# KiCad board amp board.kicad_pcb (continued)
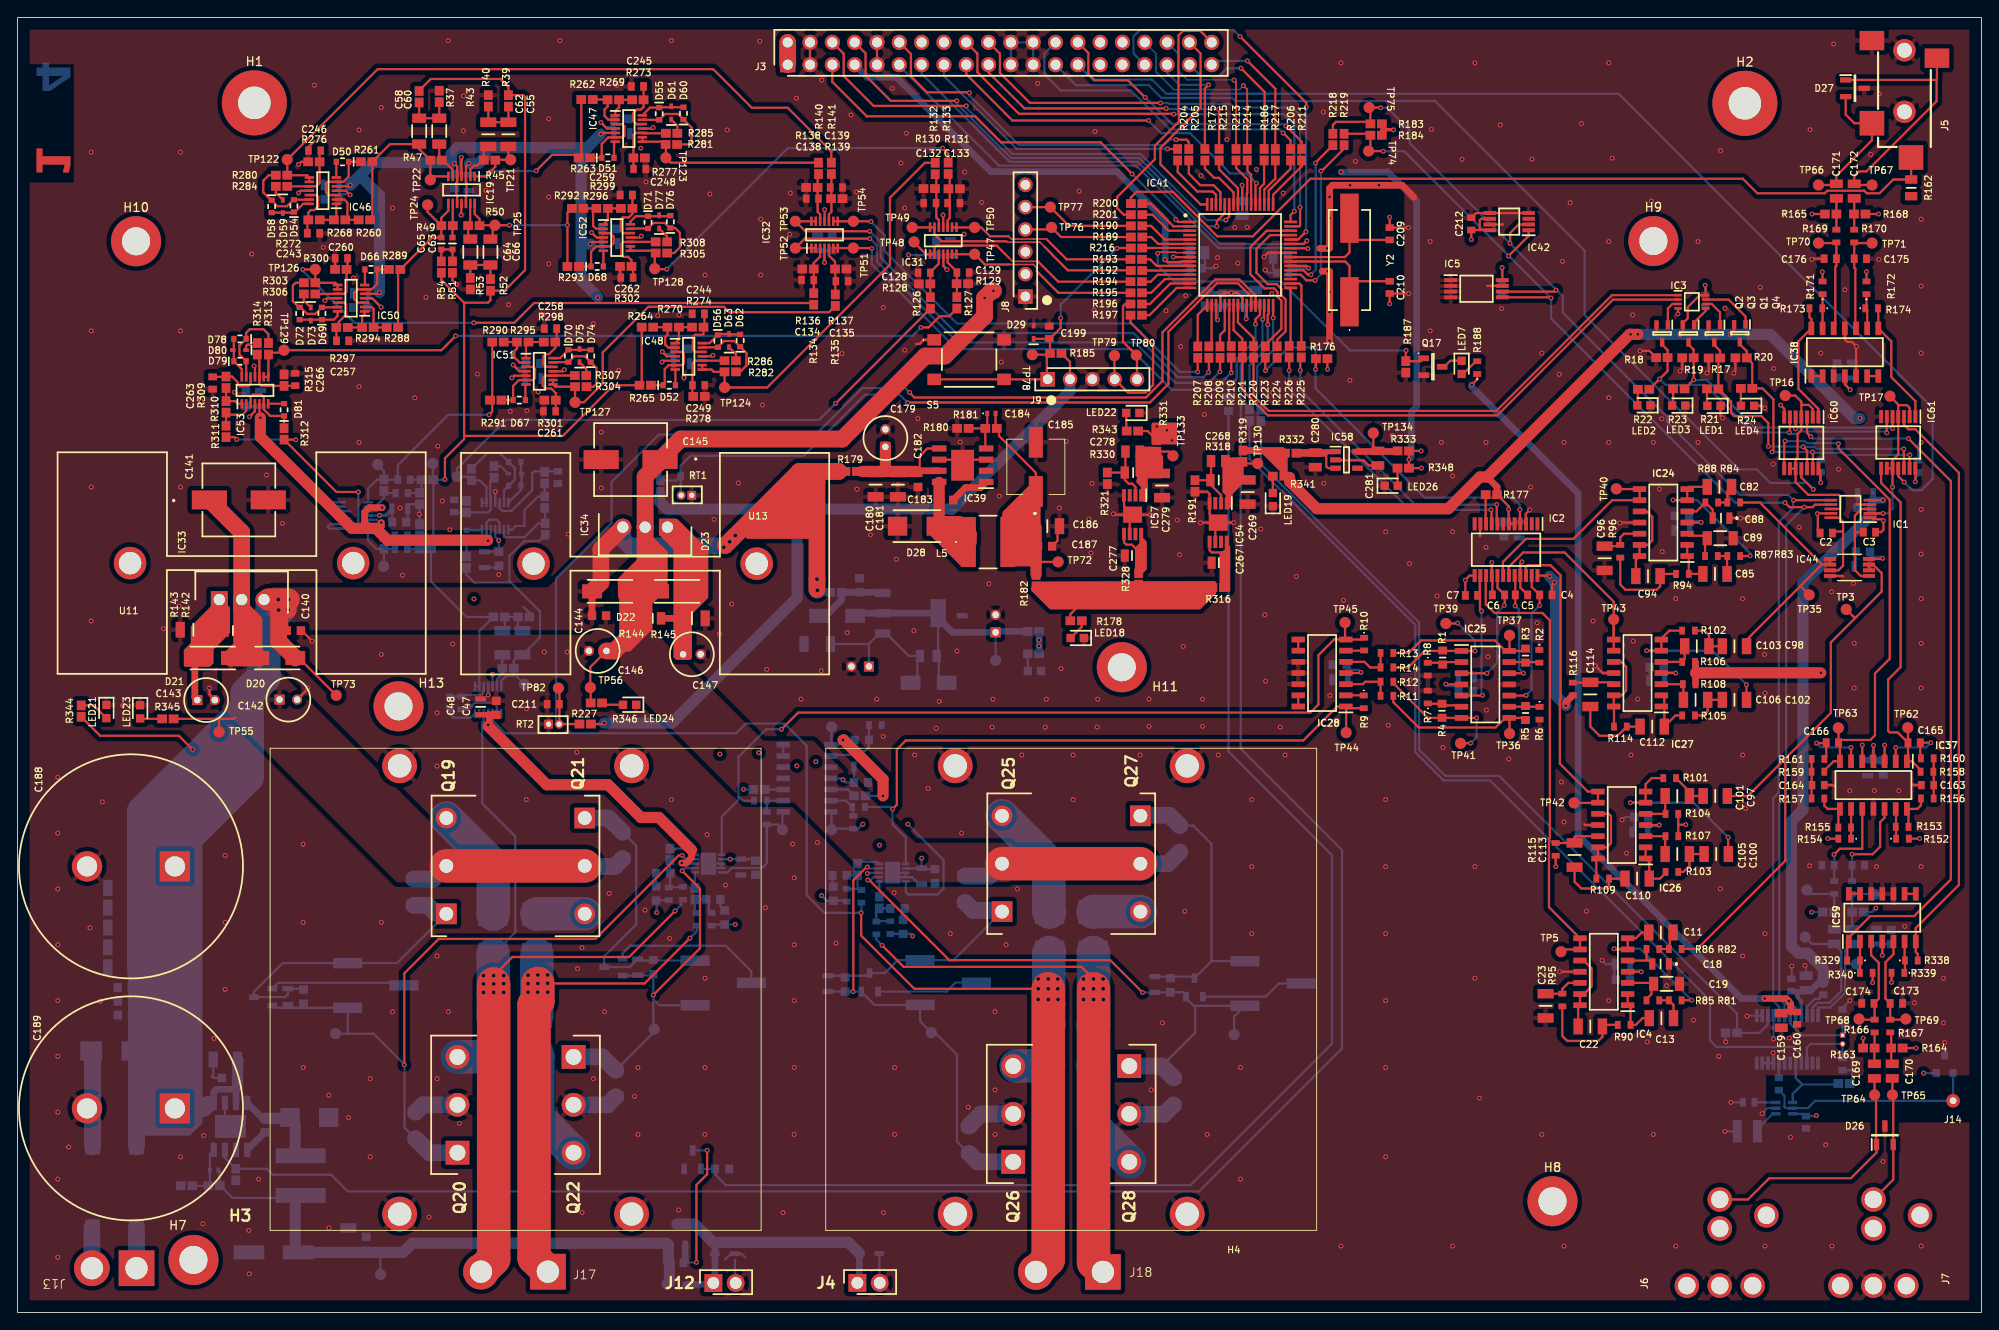
[diagram p0: board, top side]
## Placement (name value [footprint] x y rotation side) (continued)
Q19  TIP142  [TO545P500X1560X2420-3P]  48.8 45.35 90 top
Q20  TIP147  [TO545P515X1560X2445-3P]  50.07 18.17 90 top
Q21  TIP142  [TO545P500X1560X2420-3P]  64.55 56.25 270 top
Q22  TIP147  [TO545P515X1560X2445-3P]  63.28 29.07 270 top
Q23  MMBT3904-7-F  [SOT96P240X110-3N]  67.82 39.29 180 bottom
Q24  MMBT3904-7-F  [SOT96P240X110-3N]  96.98 37.55 90 bottom
Q25  TIP142  [TO545P500X1560X2420-3P]  112.05 45.6 90 top
Q26  TIP147  [TO545P515X1560X2445-3P]  113.32 17.13 90 top
Q27  TIP142  [TO545P500X1560X2420-3P]  127.8 56.5 270 top
Q28  TIP147  [TO545P515X1560X2445-3P]  126.53 28.03 270 top
Q29  MMBT3904-7-F  [SOT96P240X110-3N]  133.95 36.98 90 bottom
R1  4.59k  [RESC1608X55N]  162.2 74.51 270 top
R2  1k  [ERA3AEB101V]  173.2 74.65 270 top
R3  4.59k  [RESC1608X55N]  171.63 74.73 90 top
R4  4.59k  [RESC1608X55N]  162.13 68.45 270 top
R5  4.59k  [RESC1608X55N]  171.63 68.2 270 top
R6  1k  [ERA3AEB101V]  173.23 68.17 270 top
R7  1k  [ERA3AEB101V]  160.5 70.02 90 top
R8  1k  [ERA3AEB101V]  160.5 73.19 270 top
R9  1k  [ERA3AEB101V]  153.21 69.47 270 top
R10  1k  [ERA3AEB101V]  153.26 76.04 270 top
R11  2k  [ERA3AEB101V]  155.85 70.16 180 top
R12  2k  [ERA3AEB101V]  155.85 71.76 180 top
R13  2k  [ERA3AEB101V]  155.85 75.03 180 top
R14  2k  [ERA3AEB101V]  155.85 73.38 180 top
R15  1k  [ERA3AEB101V]  74.12 47.63 270 bottom
R16  1k  [ERA3AEB101V]  78.99 44.73 270 bottom
R17  10k  [RESC1608X55N#2]  193.13 108.59 0 top
R18  10k  [RESC1608X55N#2]  187.15 108.64 0 top
R19  10k  [RESC1608X55N#2]  190.12 108.61 0 top
R20  10k  [RESC1608X55N#2]  196.16 108.6 0 top
R21  3k  [RESC1608X55N#2]  192.93 105.08 0 top
R22  3k  [RESC1608X55N#2]  185.06 105.03 0 top
R23  3k  [RESC1608X55N#2]  189.08 105.08 0 top
R24  3k  [RESC1608X55N#2]  196.78 105.13 0 top
R25  1k  [ERA3AEB101V]  99.34 43.79 270 bottom
R26  1k  [ERA3AEB101V]  94.36 47.47 270 bottom
R27  2k  [ERA3AEB101V]  77.32 44.72 90 bottom
R28  2k  [ERA3AEB101V]  75.72 47.69 270 bottom
R29  2k  [ERA3AEB101V]  96.04 47.35 270 bottom
R30  2k  [ERA3AEB101V]  97.74 43.74 90 bottom
R31  1k  [ERA3AEB101V]  97.63 66.83 180 bottom
R32  10k  [ERA3AEB101V]  49.2 69.36 270 bottom
R33  10k  [ERA3AEB101V]  50.51 69.34 270 bottom
R34  316k  [RESC1608X55N#2]  55.82 73.29 0 bottom
R35  2k  [RESC1608X55N#2]  57.6 79.13 0 bottom
R36  160k  [RESC1608X55N#2]  54.81 79.13 180 bottom
R37  102k  [RESC1608X55N#2]  45.71 138.31 270 top
R38  100k  [RESC1608X55N#2]  46.41 86.87 180 bottom
R39  78.7k  [RESC1608X55N#2]  55.86 137.84 270 top
R40  634  [RESC1608X55N#2]  53.58 137.84 270 top
R41  200k  [RESC1608X55N#2]  46.63 94.74 0 bottom
R42  976  [RESC1608X55N#2]  45.76 92.6 90 bottom
R43  511  [RESC1608X55N#2]  47.99 138.35 270 top
R44  499  [RESC1608X55N#2]  45.76 89.04 270 bottom
R45  160k  [RESC1608X55N#2]  53.72 131.1 0 top
R46  95.3k  [RESC1608X55N#2]  41.69 94.12 90 bottom
R47  205k  [RESC1608X55N#2]  47.62 131.1 180 top
R48  200k  [RESC1608X55N#2]  41.69 87.52 270 bottom
R49  102k  [RESC1608X55N#2]  48.88 123.65 180 top
R50  200k  [RESC1608X55N#2]  51.93 123.65 0 top
R51  1k  [RESC1608X55N#2]  49.5 118.93 90 top
R52  100k  [RESC1608X55N#2]  53.82 116.9 270 top
R53  499  [RESC1608X55N#2]  51.53 117.04 90 top
R54  130k  [RESC1608X55N#2]  48.23 118.93 270 top
R55  4.59k  [RESC1608X55N]  96.09 65.13 180 bottom
R56  10k  [RESC1608X55N]  74.98 5.66 180 bottom
R57  47  [RESC1608X55N]  137.82 103.35 270 bottom
R58  10k  [RESC1608X55N]  80.19 16.33 180 bottom
R81  3.65k  [ERA3AEB101V]  188.67 35.51 180 top
R82  5.36k  [ERA3AEB101V]  188.67 41.35 180 top
R83  3.65k  [ERA3AEB101V]  195.33 86.06 180 top
R84  5.36k  [ERA3AEB101V]  195.33 92.15 180 top
R85  6.34k  [ERA3AEB101V]  186.13 35.51 180 top
R86  9.53k  [ERA3AEB101V]  186.13 41.35 180 top
R87  6.34k  [ERA3AEB101V]  192.79 86.06 180 top
R88  9.53k  [ERA3AEB101V]  192.83 92.15 180 top
R90  2.94k  [ERA3AEB101V]  182.86 32.72 180 top
R94  2.94k  [ERA3AEB101V]  189.49 84.02 180 top
R95  6.49k  [ERA3AEB101V]  175.82 35.55 90 top
R96  6.49k  [ERA3AEB101V]  182.41 86.6 90 top
R101  3.74k  [ERA3AEB101V]  188.04 60.79 180 top
R102  3.74k  [ERA3AEB101V]  190.18 77.57 180 top
R103  5.49k  [ERA3AEB101V]  188.29 50.12 180 top
R104  15.4k  [ERA3AEB101V]  188.29 56.72 180 top
R105  5.49k  [ERA3AEB101V]  190.18 67.92 180 top
R106  15.4k  [ERA3AEB101V]  190.18 74.02 180 top
R107  8.25k  [ERA3AEB101V]  188.29 54.18 0 top
R108  8.25k  [ERA3AEB101V]  190.26 71.48 0 top
R109  6.2k  [ERA3AEB101V]  180.42 49.36 0 top
R114  6.2k  [ERA3AEB101V]  182.43 66.65 0 top
R115  6.49k  [ERA3AEB101V]  175.06 52.68 90 top
R116  6.49k  [ERA3AEB101V]  177.01 70.93 90 top
R119  1.1k  [RESC1608X55N#2]  19.24 14.41 0 bottom
R120  9.53k  [RESC1608X55N#2]  22.37 14.41 0 bottom
R123  0  [RESC1608X55N#2]  141.5 102.07 90 bottom
R124  0  [RESC1608X55N#2]  140.21 102.08 90 bottom
R126  8.06k  [RESC1608X55N#2]  103.89 114.85 90 top
R127  8.06k  [RESC1608X55N#2]  106.91 114.87 90 top
R128  1k  [RESC1608X55N#2]  103.24 117.03 180 top
R129  1k  [RESC1608X55N#2]  107.53 117.04 0 top
R130  1k  [RESC1608X55N#2]  103.76 127.86 180 top
R131  1k  [RESC1608X55N#2]  106.6 127.84 0 top
R132  8.06k  [RESC1608X55N#2]  104.44 130.15 270 top
R133  8.06k  [RESC1608X55N#2]  105.92 130.18 270 top
R134  8.06k  [RESC1608X55N#2]  90.62 115.31 90 top
R135  8.06k  [RESC1608X55N#2]  93.07 115.16 90 top
R136  1k  [RESC1608X55N#2]  89.97 118.72 180 top
R137  1k  [RESC1608X55N#2]  93.69 118.72 0 top
R138  1k  [RESC1608X55N#2]  90.41 127.99 180 top
R139  1k  [RESC1608X55N#2]  93.24 126.72 0 top
R140  8.06k  [RESC1608X55N#2]  91.16 130.16 270 top
R141  8.06k  [RESC1608X55N#2]  92.62 130.16 270 top
R142  240  [RESC2012X60N]  24.51 77.57 180 top
R143  5.1k  [RESC3216X60N]  20.02 77.67 180 top
R144  240  [RESC2012X60N]  72.29 78.97 0 top
R145  5.1k  [RESC3216X60N]  76.76 78.97 0 top
R146  100k  [RESC1608X55N#2]  207.87 26.04 180 bottom
R147  10k  [RESC1608X55N#2]  195.05 31.81 180 bottom
R148  1M  [RESC1608X55N#2]  209.45 45.55 0 bottom
R149  1M  [RESC1608X55N#2]  206.12 45.55 180 bottom
R150  1k  [ERA3AEB101V]  208.8 48.34 90 bottom
R151  1k  [ERA3AEB101V]  206.77 48.34 90 bottom
R152  2k  [ERA3AEB101V]  214.53 53.9 0 top
R153  34.8k  [ERA3AEB101V]  214.49 55.25 0 top
R154  2k  [ERA3AEB101V]  207.96 53.9 180 top
R155  34.8k  [ERA3AEB101V]  207.96 55.17 180 top
R156  2.32k  [ERA3AEB101V]  217.36 58.47 0 top
R157  2.32k  [ERA3AEB101V]  204.91 58.47 180 top
R158  2.32k  [ERA3AEB101V]  217.32 61.52 180 top
R159  2.32k  [ERA3AEB101V]  204.91 61.52 0 top
R160  1.18k  [ERA3AEB101V]  217.36 63.04 180 top
R161  1.18k  [ERA3AEB101V]  204.92 62.97 0 top
R162  100k  [RESC2012X60N]  215.52 127.95 270 top
R163  1M  [RESC1608X55N#2]  210.71 30.08 180 top
R164  1M  [RESC1608X55N#2]  213.9 30.08 0 top
R165  1M  [RESC1608X55N#2]  206.36 124.97 180 top
R166  1k  [ERA3AEB101V]  211.36 32.58 90 top
R167  1k  [ERA3AEB101V]  213.14 32.58 90 top
R168  1M  [RESC1608X55N#2]  209.66 124.97 0 top
R169  1k  [ERA3AEB101V]  207.01 122.47 270 top
R170  1k  [ERA3AEB101V]  209.04 122.47 270 top
R171  2k  [ERA3AEB101V]  205.44 116.57 90 top
R172  2k  [ERA3AEB101V]  210.44 116.57 90 top
R173  2k  [ERA3AEB101V]  204.67 114.24 180 top
R174  2k  [ERA3AEB101V]  211.02 114.24 0 top
R175  47  [RESC1608X55N#2]  135.14 131.71 90 top
R176  5.1k  [RESC1608X55N#2]  148.43 108.51 0 top
R177  5.1k  [RESC1608X55N#2]  167.74 93.04 0 top
R178  3k  [RESC1608X55N#2]  120.47 78.69 180 top
R179  0  [RESC1608X55N#2]  94.87 95.68 0 top
R180  1.69k  [RESC1608X55N#2]  107.59 100.58 0 top
R181  9.53k  [RESC1608X55N#2]  110.8 100.58 0 top
R182  0  [RESC1608X55N#2]  115.92 83.26 270 top
R183  5.1k  [RESC1608X55N#2]  154.63 135.23 0 top
R184  5.1k  [RESC1608X55N#2]  154.63 133.93 0 top
R185  10k  [RESC1608X55N#2]  118.16 109.12 0 top
R186  47  [RESC1608X55N#2]  141.88 131.72 90 top
R187  10k  [RESC1608X55N#2]  158 107.58 90 top
R188  2k  [ERA3AEB101V]  166.13 107.49 90 top
R189  47  [RESC1608X55N#2]  127.36 122.35 0 top
R190  47  [RESC1608X55N#2]  127.36 123.62 0 top
R191  18.7k  [RESC1608X55N#2]  134.01 94.03 90 top
R192  0  [RESC1608X55N#2]  127.35 118.54 0 top
R193  0  [RESC1608X55N#2]  127.32 119.81 0 top
R194  0  [RESC1608X55N#2]  127.32 117.27 0 top
R195  0  [RESC1608X55N#2]  127.32 116 0 top
R196  0  [RESC1608X55N#2]  127.32 114.73 0 top
R197  0  [RESC1608X55N#2]  127.32 113.46 0 top
R200  0  [RESC1608X55N#2]  127.36 126.16 0 top
R201  0  [RESC1608X55N#2]  127.36 124.89 0 top
R204  0  [RESC1608X55N#2]  132.04 131.71 90 top
R205  0  [RESC1608X55N#2]  133.31 131.71 90 top
R206  47  [RESC1608X55N#2]  144.88 131.71 90 top
R207  0  [RESC1608X55N#2]  134.32 109.26 90 top
R208  0  [RESC1608X55N#2]  135.59 109.26 90 top
R209  0  [RESC1608X55N#2]  136.86 109.26 90 top
R210  0  [RESC1608X55N#2]  138.13 109.29 90 top
R211  47  [RESC1608X55N#2]  146.15 131.71 90 top
R213  0  [RESC1608X55N#2]  138.68 131.72 90 top
R214  0  [RESC1608X55N#2]  139.95 131.72 90 top
R215  0  [RESC1608X55N#2]  136.75 131.72 90 top
R216  0  [RESC1608X55N#2]  127.36 121.11 180 top
R217  47  [RESC1608X55N#2]  143.15 131.72 90 top
R218  47  [RESC1608X55N#2]  149.71 133.45 90 top
R219  47  [RESC1608X55N#2]  150.98 133.45 90 top
R220  0  [RESC1608X55N#2]  140.67 109.29 90 top
R221  0  [RESC1608X55N#2]  139.4 109.29 90 top
R222  10k  [RESC1608X55N#2]  73.16 94.02 270 bottom
R223  47  [RESC1608X55N#2]  142.01 109.27 270 top
R224  47  [RESC1608X55N#2]  143.36 109.27 270 top
R225  47  [RESC1608X55N#2]  146.1 109.31 270 top
R226  47  [RESC1608X55N#2]  144.73 109.31 270 top
R227  10k  [RESC1608X55N#2]  64.6 66.94 0 top
R228  5.1k  [RESC1608X55N#2]  95.85 58.78 180 bottom
R229  10k  [ERA3AEB101V]  95.71 57.51 180 bottom
R231  10k  [ERA3AEB101V]  95.1 55.77 90 bottom
R233  5.1k  [RESC1608X55N#2]  84.37 59.5 180 bottom
R234  2.1k  [RESC3216X70N]  45.09 47.82 270 bottom
R235  2.1k  [RESC3216X70N]  45.3 21.27 90 bottom
R236  10k  [ERA3AEB101V]  85.28 56.24 90 bottom
R237  10k  [ERA3AEB101V]  84.55 58.23 0 bottom
R238  0.22  [RESC6432X84N]  54.11 43.02 270 bottom
R239  0.22  [RESC6432X84N]  54.16 31.38 270 bottom
R240  0.22  [RESC6432X84N]  59.11 43.02 270 bottom
R241  0.22  [RESC6432X84N]  59.19 31.43 270 bottom
R242  2.1k  [RESC3216X70N]  68.87 53.12 90 bottom
R243  2.1k  [RESC3216X70N]  68.08 26.05 270 bottom
R248  2.1k  [RESC3216X70N]  107.83 48.15 270 bottom
R249  2.1k  [RESC3216X70N]  108.26 19.6 90 bottom
R250  0.22  [RESC6432X84N]  117.46 43.24 270 bottom
R251  0.22  [RESC6432X84N]  117.36 30.34 270 bottom
R252  0.22  [RESC6432X84N]  122.41 43.24 270 bottom
R253  0.22  [RESC6432X84N]  122.39 30.37 270 bottom
R254  2.1k  [RESC3216X70N]  132.27 53.89 90 bottom
R255  2.1k  [RESC3216X70N]  131.58 25.11 270 bottom
R260  10k  [RESC1608X55N#2]  39.47 124.31 180 top
R261  5.1k  [RESC1608X55N#2]  39.73 130.91 180 top
R262  10k  [RESC1608X55N#2]  64.81 138 0 top
R263  5.1k  [RESC1608X55N#2]  64.5 131.36 0 top
R264  10k  [RESC1608X55N#2]  71.69 112.1 0 top
R265  5.1k  [RESC1608X55N#2]  71.43 105.49 0 top
R266  10k  [RESC1608X55N#2]  60.05 89.12 90 bottom
R267  5.1k  [RESC1608X55N#2]  51.09 85.36 90 bottom
R268  10k  [RESC1608X55N#2]  36.65 124.31 180 top
R269  10k  [RESC1608X55N#2]  67.81 137.97 0 top
R270  10k  [RESC1608X55N#2]  74.62 112.1 0 top
R271  10k  [RESC1608X55N#2]  59.99 92.18 90 bottom
R272  10k  [RESC1608X55N#2]  33.74 124.31 180 top
R273  10k  [RESC1608X55N#2]  70.6 137.97 0 top
R274  10k  [RESC1608X55N#2]  77.42 112.1 0 top
R275  10k  [RESC1608X55N#2]  59.99 94.97 90 bottom
R276  1M  [RESC1608X55N#2]  33.72 130.91 0 top
R277  1M  [RESC1608X55N#2]  70.74 131.36 180 top
R278  1M  [RESC1608X55N#2]  77.56 104.22 180 top
R279  1M  [RESC1608X55N#2]  51.09 91.67 270 bottom
R280  10k  [RESC1608X55N#2]  30.04 129.39 180 top
R281  10k  [RESC1608X55N#2]  74.41 132.89 0 top
R282  10k  [RESC1608X55N#2]  81.12 107.02 0 top
R283  10k  [RESC1608X55N#2]  51.66 95.33 90 bottom
R284  100  [RESC1608X55N#2]  30.04 128.12 0 top
R285  100  [RESC1608X55N#2]  74.44 134.16 180 top
R286  100  [RESC1608X55N#2]  81.12 108.29 180 top
R287  100  [RESC1608X55N#2]  54.23 95.63 270 bottom
R288  10k  [RESC1608X55N#2]  42.66 112.07 180 top
R289  5.1k  [RESC1608X55N#2]  42.91 118.67 180 top
R290  10k  [RESC1608X55N#2]  54.67 110.4 0 top
R291  5.1k  [RESC1608X55N#2]  54.42 103.8 0 top
R292  10k  [RESC1608X55N#2]  63.74 125.61 0 top
R293  5.1k  [RESC1608X55N#2]  63.23 119.01 0 top
R294  10k  [RESC1608X55N#2]  39.87 112.07 180 top
R295  10k  [RESC1608X55N#2]  57.5 110.4 0 top
R296  10k  [RESC1608X55N#2]  66.53 125.61 0 top
R297  10k  [RESC1608X55N#2]  36.93 112.07 180 top
R298  10k  [RESC1608X55N#2]  60.55 110.4 0 top
R299  10k  [RESC1608X55N#2]  69.33 125.61 0 top
R300  1M  [RESC1608X55N#2]  36.79 118.67 0 top
R301  1M  [RESC1608X55N#2]  60.61 103.8 0 top
R302  1M  [RESC1608X55N#2]  69.22 119.01 0 top
R303  10k  [RESC1608X55N#2]  33.23 117.15 180 top
R304  10k  [RESC1608X55N#2]  64.1 105.32 0 top
R305  10k  [RESC1608X55N#2]  73.28 120.53 0 top
R306  100  [RESC1608X55N#2]  33.23 115.88 0 top
R307  100  [RESC1608X55N#2]  64.07 106.59 180 top
R308  100  [RESC1608X55N#2]  73.28 121.8 180 top
R309  10k  [RESC1608X55N#2]  23.73 105.82 90 top
R310  10k  [RESC1608X55N#2]  23.73 103.03 90 top
R311  10k  [RESC1608X55N#2]  23.73 100.24 90 top
R312  5.1k  [RESC1608X55N#2]  30.33 99.95 90 top
R313  10k  [RESC1608X55N#2]  28.55 109.63 90 top
R314  100  [RESC1608X55N#2]  27.28 109.63 270 top
R315  1M  [RESC1608X55N#2]  30.33 106.06 270 top
R316  0  [RESC1608X55N#2]  136.65 82.47 0 top
R318  270k  [RESC2012X60N]  136.71 94.69 180 top
R319  0  [RESC1608X55N#2]  139.47 97.41 90 top
R321  32.4k  [RESC1608X55N#2]  124.03 94.91 90 top
R324  0  [RESC1608X55N#2]  93.14 81.93 0 bottom
R325  240  [RESC2012X60N]  103.66 74.69 180 bottom
R326  5.1k  [RESC3216X60N]  91.01 76.03 0 bottom
R327  0  [RESC1608X55N#2]  115.63 77.48 0 bottom
R328  0  [RESC1608X55N#2]  127.6 83.45 90 top
R329  2k  [ERA3AEB101V]  208.97 40.04 180 top
R330  270k  [RESC2012X60N]  126.97 95.56 180 top
R331  0  [RESC1608X55N#2]  129.67 98.58 90 top
R332  0  [RESC1608X55N#2]  144.91 97.76 0 top
R333  0  [RESC1608X55N#2]  157.72 98.02 0 top
R334  0  [RESC1608X55N#2]  77.1 47.64 90 bottom
R335  0  [RESC1608X55N#2]  74.25 52.12 270 bottom
R336  0  [RESC1608X55N#2]  98.08 46.62 90 bottom
R337  0  [RESC1608X55N#2]  95.61 50.38 270 bottom
R338  2k  [ERA3AEB101V]  215.54 40.04 0 top
R339  2k  [ERA3AEB101V]  210.41 38.64 0 top
R340  2k  [ERA3AEB101V]  214.01 38.64 180 top
R341  3k  [RESC1608X55N#2]  143.52 95.15 0 top
R343  1k  [RESC1608X55N#2]  126.89 100.28 0 top
R344  32.4k  [RESC1608X55N#2]  7.24 68.42 270 top
R345  32.4k  [RESC1608X55N#2]  17.1 67.54 0 top
R346  32.4k  [RESC1608X55N#2]  65.88 69.34 180 top
R347  32.4k  [RESC1608X55N#2]  115.62 74.93 0 bottom
R348  1k  [RESC1608X55N#2]  157.71 96.06 0 top
R349  10k  [RESC1608X55N#2]  24.84 15.69 90 bottom
RT1  NTCALUG02A103G  [NTCALUG02A103F]  76.13 92.96 180 top
RT2  NTCALUG02A103G  [NTCALUG02A103F]  61.04 66.93 0 top
S5  -  [222AMVBAR]  108.31 108.41 0 top
TP3  ~  [TP]  208.13 79.98 0 top
TP5  ~  [TP]  175.67 41.05 0 top
TP16  ~  [TP]  201.19 104.32 270 top
TP17  ~  [TP]  213.11 104.24 270 top
TP18  ~  [TP]  57.68 71.48 90 bottom
TP19  ~  [TP]  47.25 96.6 90 bottom
TP20  ~  [TP]  41 96.47 0 bottom
TP21  ~  [TP]  56.12 131.15 270 top
TP22  ~  [TP]  46.97 128.86 270 top
TP23  ~  [TP]  41.66 84.89 180 bottom
TP24  ~  [TP]  46.67 126.01 270 top
TP25  ~  [TP]  54.33 123.7 270 top
TP35  ~  [TP]  203.91 81.64 180 top
TP36  ~  [TP]  169.81 65.86 0 top
TP37  ~  [TP]  169.81 77.04 0 top
TP39  ~  [TP]  162.56 78.38 0 top
TP40  ~  [TP]  181.97 93.7 270 top
TP41  ~  [TP]  164.24 64.74 0 top
TP42  ~  [TP]  177.15 57.97 180 top
TP43  ~  [TP]  181.67 78.84 180 top
TP44  ~  [TP]  151.22 65.97 180 top
TP45  ~  [TP]  151.09 78.49 180 top
TP46  ~  [TP]  41.3 4.32 90 bottom
TP47  ~  [TP]  108.93 120.4 180 top
TP48  ~  [TP]  102.03 121.79 180 top
TP49  ~  [TP]  101.82 123.44 180 top
TP50  ~  [TP]  108.93 123.44 180 top
TP51  ~  [TP]  95.12 121.1 90 top
TP52  ~  [TP]  88.52 121.1 90 top
TP53  ~  [TP]  88.52 124.14 90 top
TP54  ~  [TP]  95.12 124.14 90 top
TP55  ~  [TP]  22.94 66.04 180 top
TP56  ~  [TP]  65.19 71.09 0 top
TP58  ~  [TP]  209.3 39.65 90 bottom
TP59  ~  [TP]  203.45 42.7 90 bottom
TP60  ~  [TP]  211.34 47.58 90 bottom
TP61  ~  [TP]  203.66 48.06 90 bottom
TP62  ~  [TP]  215.14 66.53 90 top
TP63  ~  [TP]  207.24 66.5 90 top
TP64  ~  [TP]  211.36 24.75 0 top
TP65  ~  [TP]  213.39 24.75 0 top
TP66  ~  [TP]  204.98 128.27 0 top
TP67  ~  [TP]  211.07 128.27 0 top
TP68  ~  [TP]  209.58 33.38 0 top
TP69  ~  [TP]  214.91 33.38 0 top
TP70  ~  [TP]  204.98 121.67 0 top
TP71  ~  [TP]  211.07 121.67 0 top
TP72  ~  [TP]  118.43 85.39 180 top
TP73  ~  [TP]  36.27 70.21 180 top
TP74  ~  [TP]  153.77 132.13 180 top
TP75  ~  [TP]  153.82 137.08 180 top
TP76  ~  [TP]  117.68 123.44 0 top
TP77  ~  [TP]  117.55 125.76 0 top
TP78  ~  [TP]  115.49 108.97 0 top
TP79  ~  [TP]  124.84 108.86 0 top
TP80  ~  [TP]  127.33 108.92 0 top
TP81  ~  [TP]  73.18 96.6 0 bottom
TP82  ~  [TP]  61.56 71.03 0 top
TP111  ~  [TP]  92.64 66.61 0 bottom
TP112  ~  [TP]  36.2 31.71 180 bottom
TP113  ~  [TP]  92.64 54.93 0 bottom
TP114  ~  [TP]  87.05 54.93 0 bottom
TP117  ~  [TP]  72.45 32.22 180 bottom
TP118  ~  [TP]  104 31.84 180 bottom
TP121  ~  [TP]  138.46 31.61 180 bottom
TP122  ~  [TP]  30.69 131.17 180 top
TP123  ~  [TP]  73.79 131.36 0 top
TP124  ~  [TP]  80.47 105.24 0 top
TP125  ~  [TP]  50.04 95.09 90 bottom
TP126  ~  [TP]  33.88 118.67 180 top
TP127  ~  [TP]  63.45 103.55 0 top
TP128  ~  [TP]  72.52 118.75 0 top
TP129  ~  [TP]  30.32 109.48 90 top
TP130  ~  [TP]  141.14 96.59 270 top
TP132  ~  [TP]  111.31 74.18 0 bottom
TP133  ~  [TP]  131.5 97.46 270 top
TP134  ~  [TP]  154.31 100.05 0 top
U11  530002B02500G  [529802B02500G]  25.5 85.25 180 top
U13  530002B02500G  [529802B02500G]  71.42 85.19 0 top
U14  OPA1622IDRCR  [SON50P300X300X100-11N]  78.65 51.06 180 bottom
U15  OPA1622IDRCR  [SON50P300X300X100-11N]  99.59 50.02 180 bottom
VR3  3361P-1-202GLF  [3361P1202GLF]  40.78 37.2 90 bottom
VR4  3361P-1-202GLF  [3361P1202GLF]  80.31 37.49 90 bottom
VR5  3361P-1-202GLF  [3361P1202GLF]  105.93 37.53 90 bottom
VR6  3361P-1-202GLF  [3361P1202GLF]  142.89 37.43 90 bottom
Y1  R26-32.768-12.5  [R2632768125]  207.72 31.38 270 bottom
Y2  ABLS2-32.000MHZ-D4YF-T  [ABLS]  151.6 119.74 90 top

## Library data of the parts
BR1 = -: Datasheet: https://www.diodes.com/assets/Datasheets/TT8M_LS.pdf; Description: Bridge Rectifier Single Phase Standard 1 kV Surface Mount TT; Height: 1.8; Manufacturer_Name: Diodes Incorporated; Manufacturer_Part_Number: TT8M(LS)
C1 = -: Datasheet: https://psearch.en.murata.com/capacitor/product/GRM1885C1H102JA01%23.html; Description: Multilayer Ceramic Capacitors MLCC - SMD/SMT 0603 1000pF 50volts C0G 5%; Height: 0.9; Manufacturer_Name: Murata Electronics; Manufacturer_Part_Number: GRM1885C1H102JA01D; Mouser Part Number: 81-GRM39C102J50; Mouser Price/Stock: https://www.mouser.co.uk/ProductDetail/Murata-Electronics/GRM1885C1H102JA01D?qs=H3lwsW1hsDtu9zD8AnV%2FOA%3D%3D; Arrow Part Number: GRM1885C1H102JA01D; Arrow Price/Stock: https://www.arrow.com/en/products/grm1885c1h102ja01d/murata-manufacturing?region=nac
C2-C7 = -: Datasheet: https://content.kemet.com/datasheets/KEM_C1003_C0G_SMD.pdf; Description: SMD Comm C0G, Ceramic, 330 pF, 5%, 50 VDC, 125 VDC, 125C, -55C, C0G, SMD, MLCC, Ultra-Stable, Low Loss, Class I, 0.1 % , 100 GOhms, 3.7 mg, 0603, 1.6mm, 0.8mm, 0.8mm, 0.7mm, 0.35mm, 4000, 78  Weeks, 120; Height: 0.87; Manufacturer_Name: KEMET; Manufacturer_Part_Number: C0603C331J5GACTU; Mouser Part Number: 80-C0603C331J5G; Mouser Price/Stock: https://www.mouser.co.uk/ProductDetail/KEMET/C0603C331J5GACTU?qs=uaRzdKR4dIhbJLQHMBvt4g%3D%3D; Arrow Part Number: C0603C331J5GACTU; Arrow Price/Stock: https://www.arrow.com/en/products/c0603c331j5gactu/kemet-corporation?utm_currency=USD&region=nac
C11 C13 C22 C49 C50 C55 C62 C82 C85 C94 C97 C98 C100-C103 C105 C106 C110 C112-C114 = -: Datasheet: http://www.murata.com/~/media/webrenewal/support/library/catalog/products/capacitor/mlcc/c02e.pdf; Height: 1.8; Manufacturer_Name: Murata Electronics; Manufacturer_Part_Number: GRM31C5C1H104JA01L; Mouser Part Number: 81-GRM31C5C1H104JA1L; Mouser Price/Stock: https://www.mouser.co.uk/ProductDetail/Murata-Electronics/GRM31C5C1H104JA01L?qs=IFOlSOmtRw2EgRC47bIONw%3D%3D; Arrow Part Number: GRM31C5C1H104JA01L; Arrow Price/Stock: https://www.arrow.com/en/products/grm31c5c1h104ja01l/murata-manufacturing?region=nac
C17 C24 C115 C116 C150 C156 C160 C201 C203 C204 C206 C207 C211 C212 = -: Datasheet: https://www.yageo.com/en/Chart/Download/pdf/CC0603KRX7R7BB104; Height: 0.9; Manufacturer_Name: YAGEO; Manufacturer_Part_Number: CC0603KRX7R7BB104; Mouser Part Number: 603-CC603KRX7R7BB104; Mouser Price/Stock: https://www.mouser.co.uk/ProductDetail/YAGEO/CC0603KRX7R7BB104?qs=AgBp2OyFlx8KPmNTlFoWXA%3D%3D; Arrow Part Number: CC0603KRX7R7BB104; Arrow Price/Stock: https://www.arrow.com/en/products/cc0603krx7r7bb104/yageo?region=europe
C18 C88 = -: Datasheet: https://search.murata.co.jp/Ceramy/image/img/A01X/G101/ENG/GCM21B5C1H223FA16-01A.pdf; Description: Chip Multilayer Ceramic Capacitors for Automotive (Powertrain/Safety), 1.6 x 0.8 (0603); Height: 1.4; Manufacturer_Name: Murata Electronics; Manufacturer_Part_Number: GCM21B5C1H223FA16L; Mouser Part Number: 81-GCM21B5C1H223FA6L; Mouser Price/Stock: https://www.mouser.co.uk/ProductDetail/Murata-Electronics/GCM21B5C1H223FA16L?qs=QzBtWTOodeVOs5NdyRZASQ%3D%3D; Arrow Part Number: GCM21B5C1H223FA16L; Arrow Price/Stock: https://www.arrow.com/en/products/gcm21b5c1h223fa16l/murata-manufacturing?region=nac
C19 C89 = -: Datasheet: https://search.murata.co.jp/Ceramy/image/img/A01X/G101/ENG/GRM31C5C1H623JA01-01A.pdf; Description: MLCC, 1206; Height: 1.25; Manufacturer_Name: Murata Electronics; Manufacturer_Part_Number: GRM31C5C1H623JA01K; Mouser Part Number: 81-GRM31C5C1H623JA1K; Mouser Price/Stock: https://www.mouser.co.uk/ProductDetail/Murata-Electronics/GRM31C5C1H623JA01K?qs=N3Kl9KD794Q8VrKn5lRtNw%3D%3D; Arrow Part Number: GRM31C5C1H623JA01K; Arrow Price/Stock: https://www.arrow.com/en/products/grm31c5c1h623ja01k/murata-manufacturing
C20 C34 C47 C51 C52 C90 C99 C107 C108 C117 C122 C123 C127 C131 C137 C140 C144 C167 C177 C182 C183 C187 C195-C197 C214 C215 C217 C220-C225 C227 C229 C231-C234 C239-C242 C254-C256 C264 C273 C282 C285 C287 = -: Datasheet: https://content.kemet.com/datasheets/KEM_C1002_X7R_SMD.pdf; Height: 0.87; Manufacturer_Name: KEMET; Manufacturer_Part_Number: C0603C104M5RACTU; Mouser Part Number: 80-C0603C104M5R; Mouser Price/Stock: https://www.mouser.co.uk/ProductDetail/KEMET/C0603C104M5RACTU?qs=YkRtRX%252BfoqJT%252B0m410IP4A%3D%3D; Arrow Part Number: C0603C104M5RACTU; Arrow Price/Stock: https://www.arrow.com/en/products/c0603c104m5ractu/kemet-corporation?utm_currency=USD&region=nac
C21 C48 C53 C54 C92 C104 C109 C111 C118 C130 C136 C168 C178 C213 C216 C218 C219 C226 C228 C230 C235-C238 C251-C253 C265 C276 C283 C284 C286 C288 = -: Datasheet: https://search.murata.co.jp/Ceramy/image/img/A01X/G101/ENG/GRM21BR61H106KE43-01A.pdf; Height: 1.25; Manufacturer_Name: Murata Electronics; Manufacturer_Part_Number: GRM21BR61H106KE43L; Mouser Part Number: 81-GRM21BR61H106KE3L; Mouser Price/Stock: https://www.mouser.co.uk/ProductDetail/Murata-Electronics/GRM21BR61H106KE43L?qs=lYGu3FyN48cBZlIduWKclg%3D%3D; Arrow Part Number: GRM21BR61H106KE43L; Arrow Price/Stock: https://www.arrow.com/en/products/grm21br61h106ke43l/murata-manufacturing?region=nac
C23 C96 = -: Datasheet: https://search.murata.co.jp/Ceramy/image/img/A01X/G101/ENG/GRM31C5C1H823JA01-01A.pdf; Description: Capacitor MLCC GRM 1206 82nF 50V C0G Murata 1206 GRM 82nF Ceramic Multilayer Capacitor, 50 V, +125degC, C0G Dielectric,  /-5% SMD; Height: 1.8; Manufacturer_Name: Murata Electronics; Manufacturer_Part_Number: GRM31C5C1H823JA01L; Mouser Part Number: 81-GRM31C5C823JA01L; Mouser Price/Stock: https://www.mouser.co.uk/ProductDetail/Murata-Electronics/GRM31C5C1H823JA01L?qs=rJDJZBleyzBZGYFhIArCzg%3D%3D; Arrow Part Number: GRM31C5C1H823JA01L; Arrow Price/Stock: https://www.arrow.com/en/products/grm31c5c1h823ja01l/murata-manufacturing?region=nac
C56 C57 = -: Datasheet: https://psearch.en.murata.com/capacitor/product/GRM1885C1H272JA01%23.html; Height: 0.9; Manufacturer_Name: Murata Electronics; Manufacturer_Part_Number: GRM1885C1H272JA01D; Mouser Part Number: 81-GRM185C1H272JA01D; Mouser Price/Stock: https://www.mouser.co.uk/ProductDetail/Murata-Electronics/GRM1885C1H272JA01D?qs=%2FEhSLMV8HUQlL5ZggNQk6g%3D%3D; Arrow Part Number: GRM1885C1H272JA01D; Arrow Price/Stock: https://www.arrow.com/en/products/grm1885c1h272ja01d/murata-manufacturing
C58 C60 = -: Datasheet: https://search.murata.co.jp/Ceramy/image/img/A01X/G101/ENG/GRM31M5C1H393JA01-01A.pdf; Height: 1.15; Manufacturer_Name: Murata Electronics; Manufacturer_Part_Number: GRM31M5C1H393JA01L; Mouser Part Number: 81-GRM31M5C1H393JA1L; Mouser Price/Stock: https://www.mouser.co.uk/ProductDetail/Murata-Electronics/GRM31M5C1H393JA01L?qs=jBEfVVNFvw4%2FBt2SE87qkg%3D%3D; Arrow Part Number: GRM31M5C1H393JA01L; Arrow Price/Stock: https://www.arrow.com/en/products/grm31m5c1h393ja01l/murata-manufacturing?region=nac
C59 C61 = -: Datasheet: https://psearch.en.murata.com/capacitor/product/GRM1885C1H102JA01%23.html; Height: 0.9; Manufacturer_Name: Murata Electronics; Manufacturer_Part_Number: GRM1885C1H102JA01D; Mouser Part Number: 81-GRM39C102J50; Mouser Price/Stock: https://www.mouser.co.uk/ProductDetail/Murata-Electronics/GRM1885C1H102JA01D?qs=H3lwsW1hsDtu9zD8AnV%2FOA%3D%3D; Arrow Part Number: GRM1885C1H102JA01D; Arrow Price/Stock: https://www.arrow.com/en/products/grm1885c1h102ja01d/murata-manufacturing?region=nac
C63 C65 = -: Datasheet: https://search.murata.co.jp/Ceramy/image/img/A01X/G101/ENG/GRM1885C1H622JA01-01A.pdf; Height: 0.8; Manufacturer_Name: Murata Electronics; Manufacturer_Part_Number: GRM1885C1H622JA01D; Mouser Part Number: 81-GRM1885C1H622JA1D; Mouser Price/Stock: https://www.mouser.co.uk/ProductDetail/Murata-Electronics/GRM1885C1H622JA01D?qs=ui%252B2d9lVEI4Y0G7Sn0AB8w%3D%3D
C64 C66 = -: Datasheet: https://search.murata.co.jp/Ceramy/image/img/A01X/G101/ENG/GRM3195C1H163JA01-01A.pdf; Height: 1.15; Manufacturer_Name: Murata Electronics; Manufacturer_Part_Number: GRM3195C1H163JA01D; Mouser Part Number: 81-GRM3195C1H163JA1D; Mouser Price/Stock: https://www.mouser.com/Search/Refine.aspx?Keyword=81-GRM3195C1H163JA1D; Arrow Part Number: GRM3195C1H163JA01D; Arrow Price/Stock: https://www.arrow.com/en/products/grm3195c1h163ja01d/murata-manufacturing
C121 C126 C180 C181 C186 C190-C194 C269 C279 = -: Datasheet: https://media.digikey.com/pdf/Data%20Sheets/Samsung%20PDFs/CL_Series_MLCC_ds.pdf; Height: 1.8; Manufacturer_Name: SAMSUNG; Manufacturer_Part_Number: CL31A106MBHNNNE; Mouser Part Number: 187-CL31A106MBHNNNE; Mouser Price/Stock: https://www.mouser.co.uk/ProductDetail/Samsung-Electro-Mechanics/CL31A106MBHNNNE?qs=vLWxofP3U2ynwxdpGjlUyw%3D%3D; Arrow Part Number: CL31A106MBHNNNE; Arrow Price/Stock: https://www.arrow.com/en/products/cl31a106mbhnnne/samsung-electro-mechanics?region=nac
C124 C184 = -: Datasheet: https://search.murata.co.jp/Ceramy/image/img/A01X/G101/ENG/GCM1555C1H301JA16-01.pdf; Height: 0.55; Manufacturer_Name: Murata Electronics; Manufacturer_Part_Number: GCM1555C1H301JA16D; Mouser Part Number: 81-GCM1555C1H301JA6D; Mouser Price/Stock: https://www.mouser.com/Search/Refine.aspx?Keyword=81-GCM1555C1H301JA6D
C125 C185 = -: Datasheet: https://www.we-online.com/components/products/datasheet/865080343009.pdf; Height: 5; Manufacturer_Name: Wurth Elektronik; Manufacturer_Part_Number: 865080343009; Mouser Part Number: 710-865080343009; Mouser Price/Stock: https://www.mouser.co.uk/ProductDetail/Wurth-Elektronik/865080343009?qs=0KOYDY2FL28Gid9q%2FqirTQ%3D%3D
C128 C129 C132-C135 C138 C139 = -: Datasheet: https://datasheet.datasheetarchive.com/originals/distributors/Datasheets_SAMA/f3f01ceab90a863c6d6e9eba92d45bd3.pdf; Height: 0.9; Manufacturer_Name: SAMSUNG; Manufacturer_Part_Number: CL10B103KB8NNNC; Mouser Part Number: 187-CL10B103KB8NNNC; Mouser Price/Stock: https://www.mouser.co.uk/ProductDetail/Samsung-Electro-Mechanics/CL10B103KB8NNNC?qs=349EhDEZ59pAsZxZjVI0UQ%3D%3D; Arrow Part Number: CL10B103KB8NNNC; Arrow Price/Stock: https://www.arrow.com/en/products/cl10b103kb8nnnc/samsung-electro-mechanics?region=nac
C141 C145 = -: Datasheet: http://products.nichicon.co.jp/en/pdf/XJA043/e-ud.pdf; Manufacturer_Name: Nichicon; Manufacturer_Part_Number: UUD1H101MNL1GS; Mouser Part Number: 647-UUD1H101MNL; Mouser Price/Stock: https://www.mouser.co.uk/ProductDetail/Nichicon/UUD1H101MNL1GS?qs=mAH9sUMRCtuZWkmbSfGuTg%3D%3D; Arrow Part Number: UUD1H101MNL1GS; Arrow Price/Stock: https://www.arrow.com/en/products/uud1h101mnl1gs/nichicon?region=nac
C142 C143 C146 C147 C274 C275 = -: Datasheet: https://www.kemet.com/specsheet/A759BQ106M1VAAE090; Height: 12; Manufacturer_Name: KEMET; Manufacturer_Part_Number: A759BQ106M1VAAE090; Mouser Part Number: 80-A759BQ106M1VAAE90; Mouser Price/Stock: https://www.mouser.co.uk/ProductDetail/KEMET/A759BQ106M1VAAE090?qs=M6jHmRuQorVuNB734fjr7g%3D%3D; Arrow Part Number: A759BQ106M1VAAE090; Arrow Price/Stock: https://www.arrow.com/en/products/a759bq106m1vaae090/kemet-corporation?region=nac
C152 = -: Datasheet: http://uk.rs-online.com/web/p/products/7665402; Height: 0.9; Manufacturer_Name: SAMSUNG; Manufacturer_Part_Number: CL10B223KB8NNNC; Mouser Part Number: 187-CL10B223KB8NNNC; Mouser Price/Stock: https://www.mouser.co.uk/ProductDetail/Samsung-Electro-Mechanics/CL10B223KB8NNNC?qs=349EhDEZ59pGNxk0on%252B83Q%3D%3D; Arrow Part Number: CL10B223KB8NNNC; Arrow Price/Stock: https://www.arrow.com/en/products/cl10b223kb8nnnc/samsung-electro-mechanics?region=europe
C153 C154 C158 C159 C169-C172 C198 C200 C202 C205 C208 C280 C281 = -: Datasheet: http://www.murata.com/~/media/webrenewal/support/library/catalog/products/capacitor/mlcc/c02e.pdf; Height: 1.45; Manufacturer_Name: Murata Electronics; Manufacturer_Part_Number: GRM21BR61C106KE15K; Mouser Part Number: 81-GRM21BR61C106KE5K; Mouser Price/Stock: https://www.mouser.co.uk/ProductDetail/Murata-Electronics/GRM21BR61C106KE15K?qs=h0WOCFF19ULjTOS37upAEw%3D%3D; Arrow Part Number: GRM21BR61C106KE15K; Arrow Price/Stock: https://www.arrow.com/en/products/grm21br61c106ke15k/murata-manufacturing?utm_currency=USD&region=nac
